# Altium PCB Thunderscope_Rev3.PCBDOC (part 6 of 6) (continued)
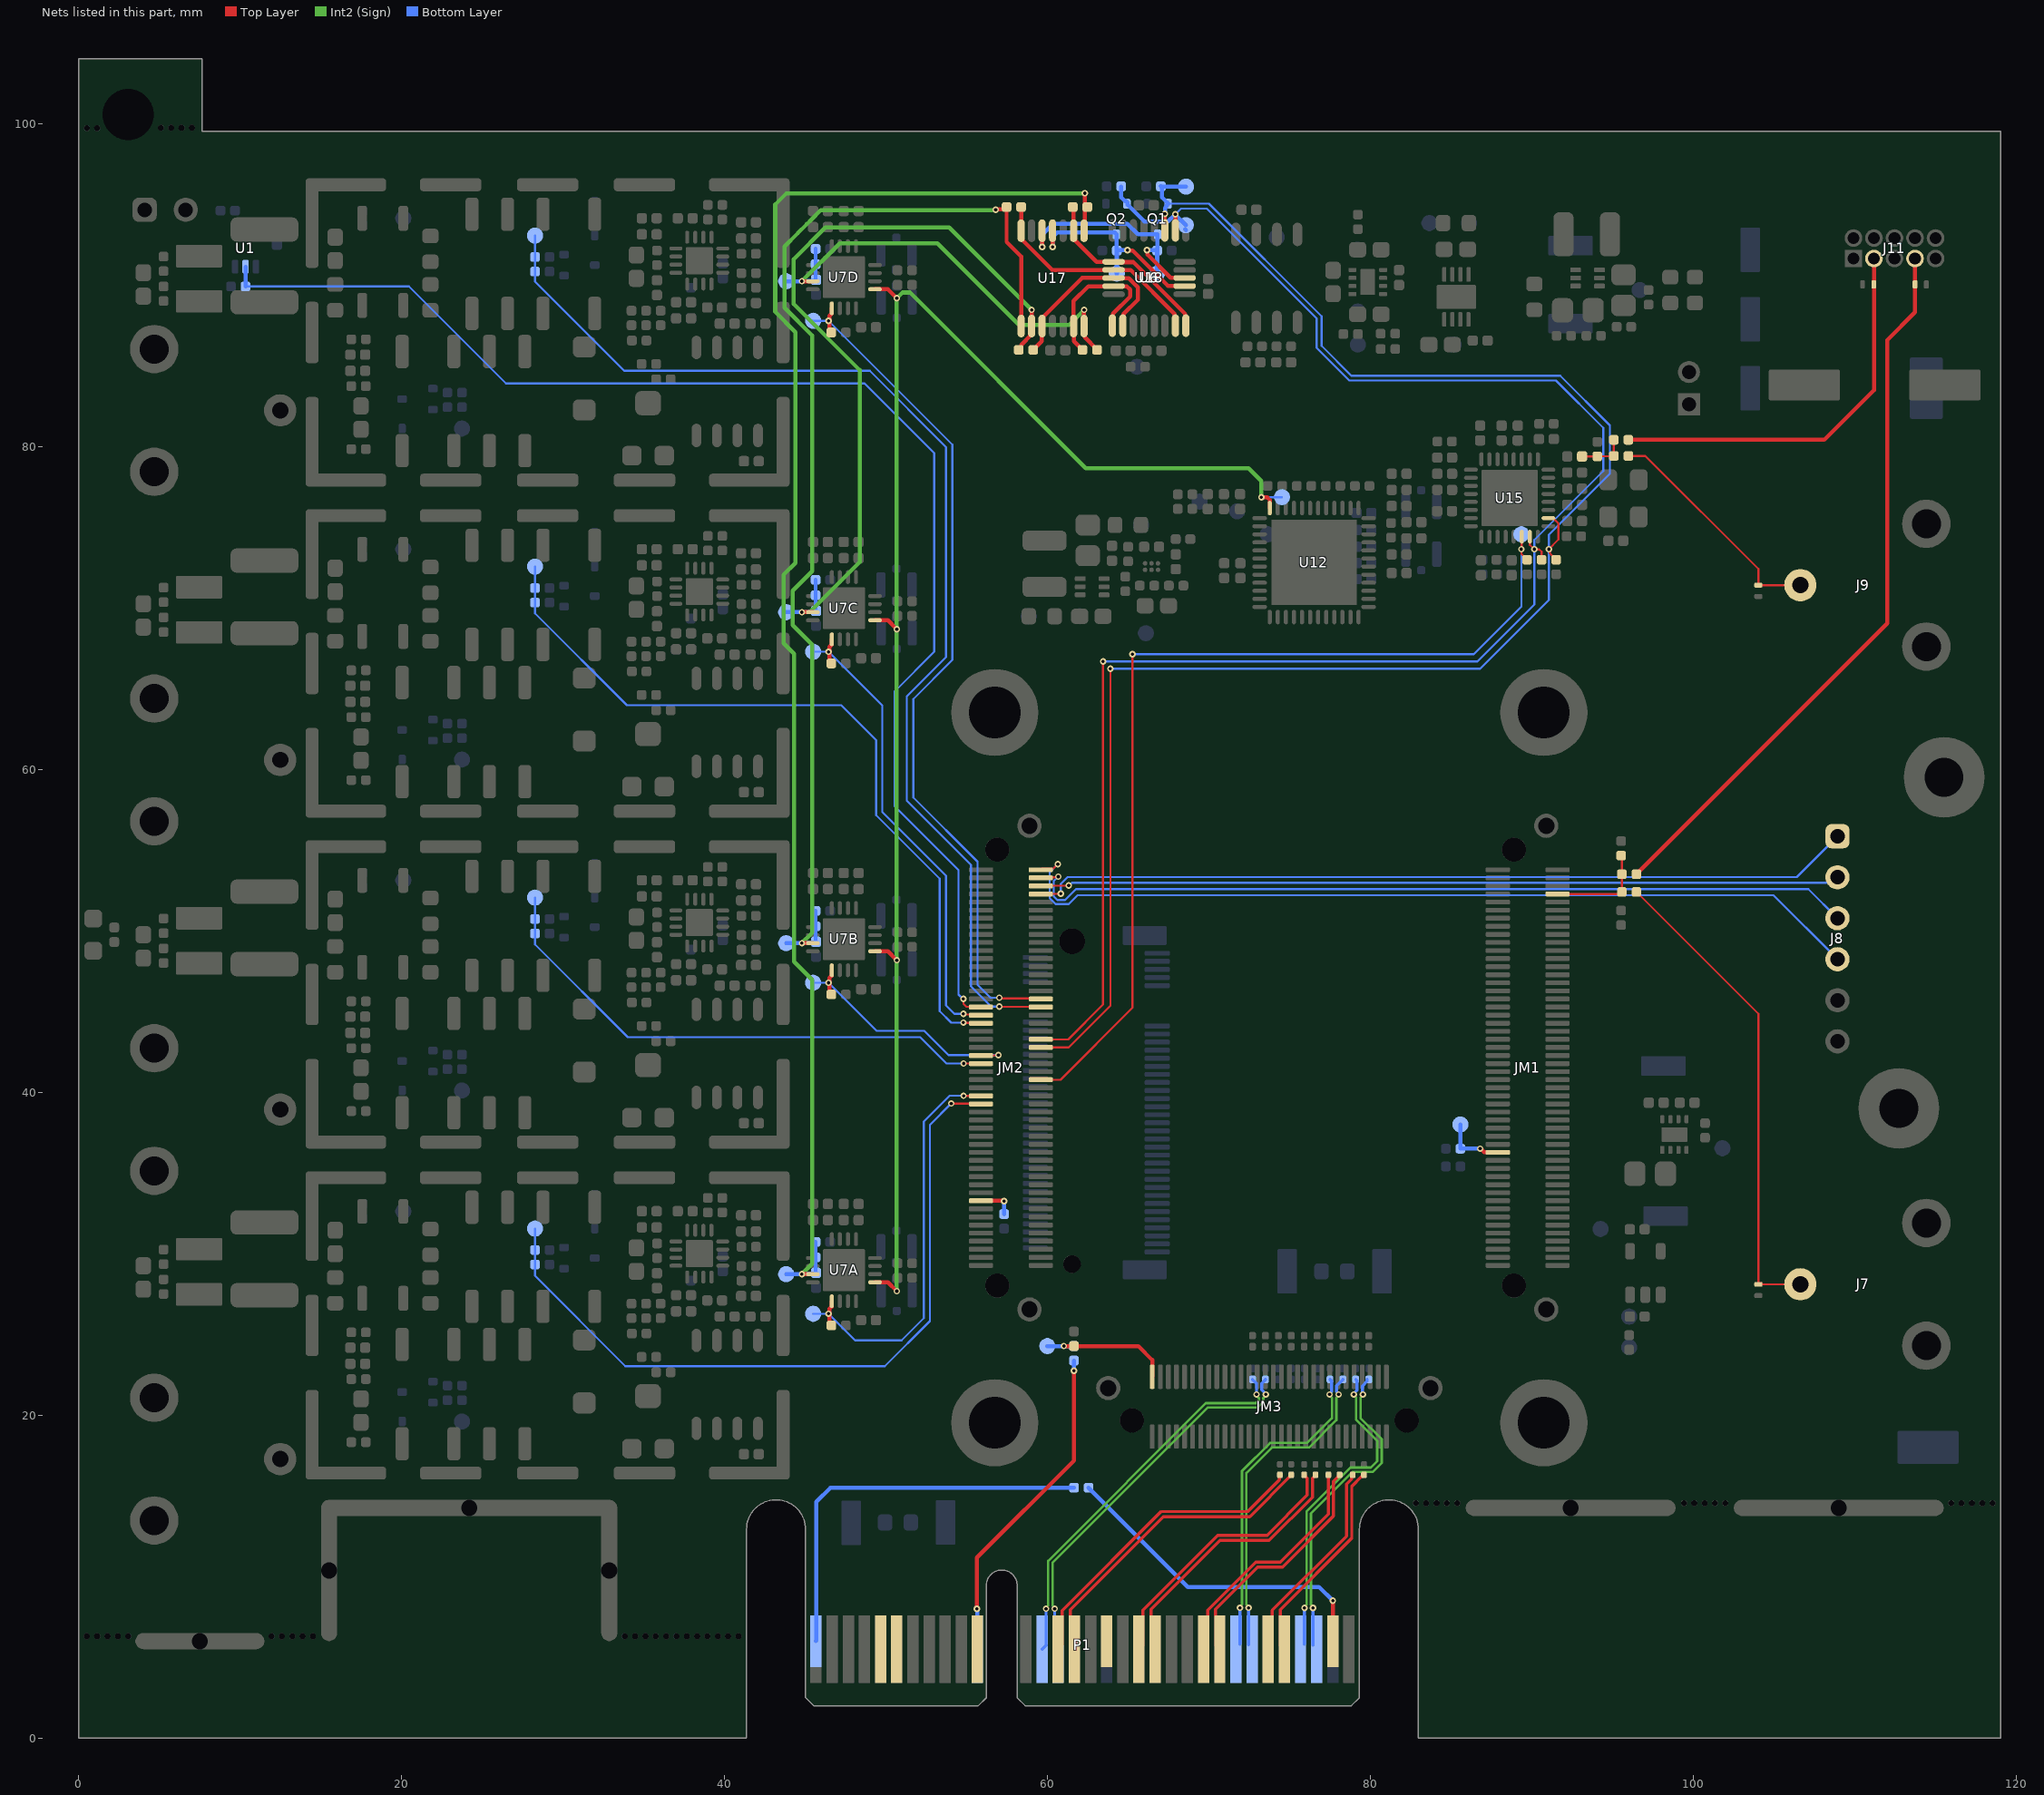
[diagram p10: the nets of this part, all layers, seen from the top]
## Nets (pads, with @x,y where several pads share a name; then routed paths per layer and width w, separated by ;. In a path a pad name is that pad's centre, name@x,y a point inside that pad or via, vN(x,y) a via of type N, cw(c..) or ccw(c..) an arc to the next point about the centre after c; other vN are vias at no path point) (continued)

## Polygon pours and split planes (outlines as drawn)
GND on Top Layer "GND_L05_P-001" (solid, remove dead copper, pour order 80): 0,0 0,104 119,104 119,0
+5V2 on Top Layer "+5V2_L01_P-001" (solid, pour order 79): 91,89.5 91,95.85 78.8,95.85 78.8,93 89.25,93 89.25,89.5
NetC2_2 on Top Layer "NetC2_2_IN_L01_P-001" (solid, pour order 78): 93.825,94.485 109.05,94.485 109.05,80.675 98,80.675 98,90 93.825,90
+3V3 on Top Layer "+3V3_L01_P-001" (solid, pour order 53): 98.885,39.05 97.385,39.05 97.385,40.85 98.885,40.85
+3V3_IN on Top Layer "+3V3_L01_P-001" (solid, pour order 77): 97.5,35.7 99,35.7 99,33.1 97.5,33.1
+3V3 on Top Layer "+3V3_L01_P-001" (solid, pour order 55): 99.325,89.325 100.825,89.325 100.825,87.375 99.325,87.375
+VUSB on Top Layer "+VUSB_L01_P-001" (solid, pour order 75): 98,89.325 98,80.675 101.5,80.675 101.5,87.237 99.325,87.237 99.325,89.325
+2V5 on Top Layer "+2V5_L01_P-001" (solid, pour order 70): 95.5,29.5 96.5,29.5 96.5,31.925 90.8,31.925 90.8,31.1 95.5,31.1
+3V3 on Top Layer "+3V3_L01_P-002" (solid, pour order 74): 56.95,31.5 58.45,31.5 58.45,29.025 56.95,29.025
+3V3_M2 on Top Layer "+3V3_M2_L01_P-001" (solid, pour order 71): 67.25,48.875 68.5,48.875 68.5,31.875 77.75,31.875 77.75,27 67.25,27
GND on Bottom Layer "GND_L05_P-001" (solid, remove dead copper, pour order 69): 0,0 0,104 119,104 119,0
+3V3_PCIe on Bottom Layer "+3V3_PCIe_L01_P-001" (solid, pour order 54): 55,7.75 52.3,7.75 52.3,11.925 50.725,11.925 50.725,14.75 52.3,14.75 55,14.75
GND on Int2 (Sign) "GND_L05_P-001" (solid, remove dead copper, pour order 73): 0,0 0,104 119,104 119,0
-5V on Int2 (Sign) "-4V8_L03_P-001" (solid, remove dead copper, pour order 68): 74.201,94.175 74.201,83.675 79.475,83.675 79.475,100 0,100 0,0 41,0 41,10.1 43.125,10.1 43.125,94.175
+1V8A on Int2 (Sign) "+1V8A_L01_P-001" (solid, pour order 67): 68.5,76.425 80.25,76.425 80.25,79.375 81.6,79.375 81.6,72.875 72,72.875 72,73.525 68.5,73.525
+1V8D on Int2 (Sign) "+1V8D_L01_P-001" (solid, pour order 61): 67.05,76.425 67.05,70.125 81.6,70.125 81.6,72.875 72,72.875 72,73.525 68.5,73.525 68.5,76.425
+1V8APLL on Int2 (Sign) "+1V8APLL_L01_P-001" (solid, pour order 58): 84.425,77.275 86.675,77.275 86.675,73.625 94.875,73.625 94.875,81.15 84.425,81.15
+3V3APLL on Int2 (Sign) "+3V3APLL_L01_P-001" (solid, pour order 59): 84.425,77.275 86.675,77.275 86.675,73.625 94.875,73.625 94.875,81.15 88.6,81.15 88.6,83.25 98,83.25 98,71.725 84.425,71.725
NetC60_2 on Int2 (Sign) "NetC60_2_L01_P-001" (solid, pour order 60): 69.25,78.125 64.475,78.125 64.475,68.25 88.25,68.25 88.25,71.725 84.275,71.725 84.275,81.15 81.75,81.15 81.75,70.125 67.05,70.125 67.05,76.575 69.25,76.575
+3V3 on Int3 (Sign) "+3V3_L04_P-001" (solid, remove dead copper, pour order 76): 0,0 0,104 119,104 119,0
+5V on Int3 (Sign) "+4V8_L04_P-001" (solid, remove dead copper, pour order 72): 48.025,87.35 55.025,87.35 55.025,83.95 86.475,83.95 86.475,95.6 35,95.6 35,25.55 48.025,25.55
+3V3_IN on Int3 (Sign) "+3V3_IN_L04_P-001" (solid, pour order 66): 43.2,14.9 43.2,2 99.2,2 99.2,35 56.5,35 56.5,28 56.5,14.9
GND on Int4 (GND) "GND_L05_P-001" (solid, remove dead copper, pour order 51): 0,0 0,104 119,104 119,0
GND on Int1 (GND) "GND_L05_P-001" (solid, remove dead copper, pour order 52): 0,0 0,104 119,104 119,0

## Keep-outs
Top Layer:
  region: 119,14.875 119,99 118,99 118,14.875
  rectangle: 0,97 119,99.5
  rectangle: 79.3,13.025 119,15.75
  region: 15,14.7 15.05,14.7 33.3,14.7 33.3,9.95 ccw(c33.35,9.95) 33.35,9.9 41.35,9.9 ccw(c41.35,9.95) 41.4,9.95 41.4,12.925 cw(c43.175,12.925) 44.95,12.925 ccw(c45,12.925) 45,12.875 45,15.8 15,15.8
Int1 (GND):
  rectangle: 17,19.025 17.425,21.525
  rectangle: 17.425,18.025 18.075,25.425
  rectangle: 17,60.025 17.425,62.525
  rectangle: 17.425,59.025 18.075,66.425
  rectangle: 17.425,38.525 18.075,45.925
  rectangle: 17,39.525 17.425,42.025
  rectangle: 17.425,79.525 18.075,86.925
  rectangle: 17,80.525 17.425,83.025
  rectangle: 30.6,85.5 32,86.8
  rectangle: 30.6,65 32,66.3
  rectangle: 30.6,44.5 32,45.8
  rectangle: 30.6,24 32,25.3
  region: 23.625,25.4 22.825,25.4 22.825,23.325 23.625,23.325
  region: 23.625,19.26 22.825,19.26 22.825,17.185 23.625,17.185
  region: 23.625,45.9 22.825,45.9 22.825,43.825 23.625,43.825
  region: 23.625,39.76 22.825,39.76 22.825,37.685 23.625,37.685
  region: 23.625,66.4 22.825,66.4 22.825,64.325 23.625,64.325
  region: 23.625,60.26 22.825,60.26 22.825,58.185 23.625,58.185
  region: 23.625,80.76 22.825,80.76 22.825,78.685 23.625,78.685
  region: 23.625,86.9 22.825,86.9 22.825,84.825 23.625,84.825
  region: 29.15,33.9 28.35,33.9 28.35,31.825 29.15,31.825
  region: 26.95,27.76 26.15,27.76 26.15,25.685 26.95,25.685
  region: 29.15,27.76 28.35,27.76 28.35,25.685 29.15,25.685
  region: 29.15,54.4 28.35,54.4 28.35,52.325 29.15,52.325
  region: 26.95,48.26 26.15,48.26 26.15,46.185 26.95,46.185
  region: 29.15,48.26 28.35,48.26 28.35,46.185 29.15,46.185
  region: 29.15,74.9 28.35,74.9 28.35,72.825 29.15,72.825
  region: 26.95,68.76 26.15,68.76 26.15,66.685 26.95,66.685
  region: 29.15,68.76 28.35,68.76 28.35,66.685 29.15,66.685
  region: 29.15,89.26 28.35,89.26 28.35,87.185 29.15,87.185
  region: 26.95,89.26 26.15,89.26 26.15,87.185 26.95,87.185
  region: 29.15,95.4 28.35,95.4 28.35,93.325 29.15,93.325
  region: 26.95,95.4 26.15,95.4 26.15,93.325 26.95,93.325
  region: 24.75,95.4 23.95,95.4 23.95,93.325 24.75,93.325
  rectangle: 23.95,87.2 24.75,89.275
  rectangle: 27.225,78.7 28.025,80.775
  rectangle: 25.025,78.7 25.825,80.775
  region: 28.025,86.9 27.225,86.9 27.225,84.825 28.025,84.825
  region: 25.825,86.9 25.025,86.9 25.025,84.825 25.825,84.825
  rectangle: 19.79,87.95 20.415,89.5
  rectangle: 17.25,87.95 17.875,89.5
  rectangle: 15.4,92.425 16.35,93.475
  rectangle: 15.4,90.975 16.35,92.025
  rectangle: 15.375,89.575 16.375,90.475
  rectangle: 15.375,87.975 16.375,88.875
  rectangle: 9.4,88.175 13.6,89.675
  rectangle: 21.275,92.575 22.275,93.475
  rectangle: 21.275,90.975 22.275,91.875
  rectangle: 21.275,89.575 22.275,90.475
  rectangle: 17.25,26.45 17.875,28
  rectangle: 19.79,26.45 20.415,28
  region: 24.75,33.9 23.95,33.9 23.95,31.825 24.75,31.825
  region: 26.95,33.9 26.15,33.9 26.15,31.825 26.95,31.825
  region: 28.025,25.4 27.225,25.4 27.225,23.325 28.025,23.325
  rectangle: 25.025,17.2 25.825,19.275
  rectangle: 17.25,46.95 17.875,48.5
  rectangle: 27.225,17.2 28.025,19.275
  region: 24.75,54.4 23.95,54.4 23.95,52.325 24.75,52.325
  region: 26.95,54.4 26.15,54.4 26.15,52.325 26.95,52.325
  region: 28.025,45.9 27.225,45.9 27.225,43.825 28.025,43.825
  rectangle: 27.225,37.7 28.025,39.775
  rectangle: 23.95,25.7 24.75,27.775
  region: 25.825,25.4 25.025,25.4 25.025,23.325 25.825,23.325
  rectangle: 15.375,28.075 16.375,28.975
  rectangle: 15.4,29.475 16.35,30.525
  rectangle: 15.4,30.925 16.35,31.975
  rectangle: 15.375,46.975 16.375,47.875
  rectangle: 15.375,48.575 16.375,49.475
  rectangle: 15.4,49.975 16.35,51.025
  rectangle: 15.4,51.425 16.35,52.475
  rectangle: 15.375,67.475 16.375,68.375
  rectangle: 15.375,69.075 16.375,69.975
  rectangle: 15.4,70.475 16.35,71.525
  rectangle: 15.4,71.925 16.35,72.975
  rectangle: 9.4,26.675 13.6,28.175
  rectangle: 21.275,28.075 22.275,28.975
  rectangle: 21.275,29.475 22.275,30.375
  rectangle: 21.275,31.075 22.275,31.975
  rectangle: 19.79,46.95 20.415,48.5
  rectangle: 21.275,48.575 22.275,49.475
  rectangle: 21.275,49.975 22.275,50.875
  rectangle: 21.275,51.575 22.275,52.475
  rectangle: 19.79,67.45 20.415,69
  rectangle: 21.275,69.075 22.275,69.975
  rectangle: 15.375,26.475 16.375,27.375
  rectangle: 17.25,67.45 17.875,69
  rectangle: 21.275,70.475 22.275,71.375
  rectangle: 21.275,72.075 22.275,72.975
  rectangle: 23.95,66.7 24.75,68.775
  region: 24.75,74.9 23.95,74.9 23.95,72.825 24.75,72.825
  region: 25.825,66.4 25.025,66.4 25.025,64.325 25.825,64.325
  region: 28.025,66.4 27.225,66.4 27.225,64.325 28.025,64.325
  rectangle: 25.025,58.2 25.825,60.275
  rectangle: 27.225,58.2 28.025,60.275
  rectangle: 9.4,47.175 13.6,48.675
  rectangle: 9.4,67.675 13.6,69.175
  region: 26.95,74.9 26.15,74.9 26.15,72.825 26.95,72.825
  rectangle: 23.95,46.2 24.75,48.275
  region: 25.825,45.9 25.025,45.9 25.025,43.825 25.825,43.825
  rectangle: 25.025,37.7 25.825,39.775
Int2 (Sign):
  rectangle: 17,80.525 17.425,83.025
  rectangle: 17.425,79.525 18.075,86.925
  rectangle: 17,39.525 17.425,42.025
  rectangle: 17.425,38.525 18.075,45.925
  rectangle: 17.425,59.025 18.075,66.425
  rectangle: 17,60.025 17.425,62.525
  rectangle: 17.425,18.025 18.075,25.425
  rectangle: 17,19.025 17.425,21.525
  rectangle: 30.6,24 32,25.3
  rectangle: 30.6,44.5 32,45.8
  rectangle: 30.6,65 32,66.3
  rectangle: 30.6,85.5 32,86.8
  region: 23.625,25.4 22.825,25.4 22.825,23.325 23.625,23.325
  region: 23.625,19.26 22.825,19.26 22.825,17.185 23.625,17.185
  region: 23.625,45.9 22.825,45.9 22.825,43.825 23.625,43.825
  region: 23.625,39.76 22.825,39.76 22.825,37.685 23.625,37.685
  region: 23.625,66.4 22.825,66.4 22.825,64.325 23.625,64.325
  region: 23.625,60.26 22.825,60.26 22.825,58.185 23.625,58.185
  region: 23.625,80.76 22.825,80.76 22.825,78.685 23.625,78.685
  region: 23.625,86.9 22.825,86.9 22.825,84.825 23.625,84.825
  region: 29.15,33.9 28.35,33.9 28.35,31.825 29.15,31.825
  region: 26.95,27.76 26.15,27.76 26.15,25.685 26.95,25.685
  region: 29.15,27.76 28.35,27.76 28.35,25.685 29.15,25.685
  region: 29.15,54.4 28.35,54.4 28.35,52.325 29.15,52.325
  region: 26.95,48.26 26.15,48.26 26.15,46.185 26.95,46.185
  region: 29.15,48.26 28.35,48.26 28.35,46.185 29.15,46.185
  region: 29.15,74.9 28.35,74.9 28.35,72.825 29.15,72.825
  region: 26.95,68.76 26.15,68.76 26.15,66.685 26.95,66.685
  region: 29.15,68.76 28.35,68.76 28.35,66.685 29.15,66.685
  region: 29.15,89.26 28.35,89.26 28.35,87.185 29.15,87.185
  region: 26.95,89.26 26.15,89.26 26.15,87.185 26.95,87.185
  region: 29.15,95.4 28.35,95.4 28.35,93.325 29.15,93.325
  rectangle: 25.025,37.7 25.825,39.775
  region: 25.825,45.9 25.025,45.9 25.025,43.825 25.825,43.825
  rectangle: 23.95,46.2 24.75,48.275
  region: 26.95,74.9 26.15,74.9 26.15,72.825 26.95,72.825
  rectangle: 9.4,67.675 13.6,69.175
  rectangle: 9.4,47.175 13.6,48.675
  rectangle: 27.225,58.2 28.025,60.275
  rectangle: 25.025,58.2 25.825,60.275
  region: 28.025,66.4 27.225,66.4 27.225,64.325 28.025,64.325
  region: 25.825,66.4 25.025,66.4 25.025,64.325 25.825,64.325
  region: 24.75,74.9 23.95,74.9 23.95,72.825 24.75,72.825
  rectangle: 23.95,66.7 24.75,68.775
  rectangle: 21.275,72.075 22.275,72.975
  rectangle: 21.275,70.475 22.275,71.375
  rectangle: 17.25,67.45 17.875,69
  rectangle: 15.375,26.475 16.375,27.375
  rectangle: 21.275,69.075 22.275,69.975
  rectangle: 19.79,67.45 20.415,69
  rectangle: 21.275,51.575 22.275,52.475
  rectangle: 21.275,49.975 22.275,50.875
  rectangle: 21.275,48.575 22.275,49.475
  rectangle: 19.79,46.95 20.415,48.5
  rectangle: 21.275,31.075 22.275,31.975
  rectangle: 21.275,29.475 22.275,30.375
  rectangle: 21.275,28.075 22.275,28.975
  rectangle: 9.4,26.675 13.6,28.175
  rectangle: 15.4,71.925 16.35,72.975
  rectangle: 15.4,70.475 16.35,71.525
  rectangle: 15.375,69.075 16.375,69.975
  rectangle: 15.375,67.475 16.375,68.375
  rectangle: 15.4,51.425 16.35,52.475
  rectangle: 15.4,49.975 16.35,51.025
  rectangle: 15.375,48.575 16.375,49.475
  rectangle: 15.375,46.975 16.375,47.875
  rectangle: 15.4,30.925 16.35,31.975
  rectangle: 15.4,29.475 16.35,30.525
  rectangle: 15.375,28.075 16.375,28.975
  region: 25.825,25.4 25.025,25.4 25.025,23.325 25.825,23.325
  rectangle: 23.95,25.7 24.75,27.775
  rectangle: 27.225,37.7 28.025,39.775
  region: 28.025,45.9 27.225,45.9 27.225,43.825 28.025,43.825
  region: 26.95,54.4 26.15,54.4 26.15,52.325 26.95,52.325
  region: 24.75,54.4 23.95,54.4 23.95,52.325 24.75,52.325
  rectangle: 27.225,17.2 28.025,19.275
  rectangle: 17.25,46.95 17.875,48.5
  rectangle: 25.025,17.2 25.825,19.275
  region: 28.025,25.4 27.225,25.4 27.225,23.325 28.025,23.325
  region: 26.95,33.9 26.15,33.9 26.15,31.825 26.95,31.825
  region: 24.75,33.9 23.95,33.9 23.95,31.825 24.75,31.825
  rectangle: 19.79,26.45 20.415,28
  rectangle: 17.25,26.45 17.875,28
  rectangle: 21.275,89.575 22.275,90.475
  rectangle: 21.275,90.975 22.275,91.875
  rectangle: 21.275,92.575 22.275,93.475
  rectangle: 9.4,88.175 13.6,89.675
  rectangle: 15.375,87.975 16.375,88.875
  rectangle: 15.375,89.575 16.375,90.475
  rectangle: 15.4,90.975 16.35,92.025
  rectangle: 15.4,92.425 16.35,93.475
  rectangle: 17.25,87.95 17.875,89.5
  rectangle: 19.79,87.95 20.415,89.5
  region: 25.825,86.9 25.025,86.9 25.025,84.825 25.825,84.825
  region: 28.025,86.9 27.225,86.9 27.225,84.825 28.025,84.825
  rectangle: 25.025,78.7 25.825,80.775
  rectangle: 27.225,78.7 28.025,80.775
  rectangle: 23.95,87.2 24.75,89.275
  region: 24.75,95.4 23.95,95.4 23.95,93.325 24.75,93.325
  region: 26.95,95.4 26.15,95.4 26.15,93.325 26.95,93.325
Int3 (Sign):
  rectangle: 17,80.525 17.425,83.025
  rectangle: 17.425,79.525 18.075,86.925
  rectangle: 17,39.525 17.425,42.025
  rectangle: 17.425,38.525 18.075,45.925
  rectangle: 17.425,59.025 18.075,66.425
  rectangle: 17,60.025 17.425,62.525
  rectangle: 17.425,18.025 18.075,25.425
  rectangle: 17,19.025 17.425,21.525
  rectangle: 30.6,24 32,25.3
  rectangle: 30.6,44.5 32,45.8
  rectangle: 30.6,65 32,66.3
  rectangle: 30.6,85.5 32,86.8
  region: 23.625,25.4 22.825,25.4 22.825,23.325 23.625,23.325
  region: 23.625,19.26 22.825,19.26 22.825,17.185 23.625,17.185
  region: 23.625,45.9 22.825,45.9 22.825,43.825 23.625,43.825
  region: 23.625,39.76 22.825,39.76 22.825,37.685 23.625,37.685
  region: 23.625,66.4 22.825,66.4 22.825,64.325 23.625,64.325
  region: 23.625,60.26 22.825,60.26 22.825,58.185 23.625,58.185
  region: 23.625,80.76 22.825,80.76 22.825,78.685 23.625,78.685
  region: 23.625,86.9 22.825,86.9 22.825,84.825 23.625,84.825
  region: 29.15,33.9 28.35,33.9 28.35,31.825 29.15,31.825
  region: 26.95,27.76 26.15,27.76 26.15,25.685 26.95,25.685
  region: 29.15,27.76 28.35,27.76 28.35,25.685 29.15,25.685
  region: 29.15,54.4 28.35,54.4 28.35,52.325 29.15,52.325
  region: 26.95,48.26 26.15,48.26 26.15,46.185 26.95,46.185
  region: 29.15,48.26 28.35,48.26 28.35,46.185 29.15,46.185
  region: 29.15,74.9 28.35,74.9 28.35,72.825 29.15,72.825
  region: 26.95,68.76 26.15,68.76 26.15,66.685 26.95,66.685
  region: 29.15,68.76 28.35,68.76 28.35,66.685 29.15,66.685
  region: 29.15,89.26 28.35,89.26 28.35,87.185 29.15,87.185
  region: 26.95,89.26 26.15,89.26 26.15,87.185 26.95,87.185
  region: 29.15,95.4 28.35,95.4 28.35,93.325 29.15,93.325
  rectangle: 25.025,37.7 25.825,39.775
  region: 25.825,45.9 25.025,45.9 25.025,43.825 25.825,43.825
  rectangle: 23.95,46.2 24.75,48.275
  region: 26.95,74.9 26.15,74.9 26.15,72.825 26.95,72.825
  rectangle: 9.4,67.675 13.6,69.175
  rectangle: 9.4,47.175 13.6,48.675
  rectangle: 27.225,58.2 28.025,60.275
  rectangle: 25.025,58.2 25.825,60.275
  region: 28.025,66.4 27.225,66.4 27.225,64.325 28.025,64.325
  region: 25.825,66.4 25.025,66.4 25.025,64.325 25.825,64.325
  region: 24.75,74.9 23.95,74.9 23.95,72.825 24.75,72.825
  rectangle: 23.95,66.7 24.75,68.775
  rectangle: 21.275,72.075 22.275,72.975
  rectangle: 21.275,70.475 22.275,71.375
  rectangle: 17.25,67.45 17.875,69
  rectangle: 15.375,26.475 16.375,27.375
  rectangle: 21.275,69.075 22.275,69.975
  rectangle: 19.79,67.45 20.415,69
  rectangle: 21.275,51.575 22.275,52.475
  rectangle: 21.275,49.975 22.275,50.875
  rectangle: 21.275,48.575 22.275,49.475
  rectangle: 19.79,46.95 20.415,48.5
  rectangle: 21.275,31.075 22.275,31.975
  rectangle: 21.275,29.475 22.275,30.375
  rectangle: 21.275,28.075 22.275,28.975
  rectangle: 9.4,26.675 13.6,28.175
  rectangle: 15.4,71.925 16.35,72.975
  rectangle: 15.4,70.475 16.35,71.525
  rectangle: 15.375,69.075 16.375,69.975
  rectangle: 15.375,67.475 16.375,68.375
  rectangle: 15.4,51.425 16.35,52.475
  rectangle: 15.4,49.975 16.35,51.025
  rectangle: 15.375,48.575 16.375,49.475
  rectangle: 15.375,46.975 16.375,47.875
  rectangle: 15.4,30.925 16.35,31.975
  rectangle: 15.4,29.475 16.35,30.525
  rectangle: 15.375,28.075 16.375,28.975
  region: 25.825,25.4 25.025,25.4 25.025,23.325 25.825,23.325
  rectangle: 23.95,25.7 24.75,27.775
  rectangle: 27.225,37.7 28.025,39.775
  region: 28.025,45.9 27.225,45.9 27.225,43.825 28.025,43.825
  region: 26.95,54.4 26.15,54.4 26.15,52.325 26.95,52.325
  region: 24.75,54.4 23.95,54.4 23.95,52.325 24.75,52.325
  rectangle: 27.225,17.2 28.025,19.275
  rectangle: 17.25,46.95 17.875,48.5
  rectangle: 25.025,17.2 25.825,19.275
  region: 28.025,25.4 27.225,25.4 27.225,23.325 28.025,23.325
  region: 26.95,33.9 26.15,33.9 26.15,31.825 26.95,31.825
  region: 24.75,33.9 23.95,33.9 23.95,31.825 24.75,31.825
  rectangle: 19.79,26.45 20.415,28
  rectangle: 17.25,26.45 17.875,28
  rectangle: 21.275,89.575 22.275,90.475
  rectangle: 21.275,90.975 22.275,91.875
  rectangle: 21.275,92.575 22.275,93.475
  rectangle: 9.4,88.175 13.6,89.675
  rectangle: 15.375,87.975 16.375,88.875
  rectangle: 15.375,89.575 16.375,90.475
  rectangle: 15.4,90.975 16.35,92.025
  rectangle: 15.4,92.425 16.35,93.475
  rectangle: 17.25,87.95 17.875,89.5
  rectangle: 19.79,87.95 20.415,89.5
  region: 25.825,86.9 25.025,86.9 25.025,84.825 25.825,84.825
  region: 28.025,86.9 27.225,86.9 27.225,84.825 28.025,84.825
  rectangle: 25.025,78.7 25.825,80.775
  rectangle: 27.225,78.7 28.025,80.775
  rectangle: 23.95,87.2 24.75,89.275
  region: 24.75,95.4 23.95,95.4 23.95,93.325 24.75,93.325
  region: 26.95,95.4 26.15,95.4 26.15,93.325 26.95,93.325
Bottom Layer:
  region: 119,14.875 119,99 118,99 118,14.875
  rectangle: 0,97 119,99.5
  rectangle: 79.3,13.025 119,15.75
  region: 15,14.7 15.05,14.7 33.3,14.7 33.3,9.95 ccw(c33.35,9.95) 33.35,9.9 41.35,9.9 ccw(c41.35,9.95) 41.4,9.95 41.4,12.925 cw(c43.175,12.925) 44.95,12.925 ccw(c45,12.925) 45,12.875 45,15.8 15,15.8
Top Solder:
  rectangle: 33.35,6.625 41.35,9.95
Bottom Solder:
  rectangle: 33.35,6.625 41.35,9.95
KeepOutLayer:
  rectangle: 0,96 7.65,104
  rectangle: 33.35,6.625 41.35,9.95
  region: 81.125,15.25 81.125,0 119,0 119,15.25
  region: 0,0 0,7 16,7 16,13.75 32.35,13.75 32.35,7 41.35,7 41.35,0

## Other copper
Top Layer:
  pour cut-out: 45.125,26.725 49.625,26.725 49.625,31.225 45.125,31.225
  pour cut-out: 45.125,47.225 49.625,47.225 49.625,51.725 45.125,51.725
  pour cut-out: 45.125,67.725 49.625,67.725 49.625,72.225 45.125,72.225
  pour cut-out: 45.125,88.225 49.625,88.225 49.625,92.725 45.125,92.725
  pour cut-out: 50.419,66.24 50.419,68.825 50.144,68.825 50.144,66.24
  pour cut-out: 14.85,34.3 43.225,34.3 43.225,16.8 14.85,16.8
  pour cut-out: 14.85,54.8 43.225,54.8 43.225,37.3 14.85,37.3
  pour cut-out: 14.85,75.3 43.225,75.3 43.225,57.8 14.85,57.8
  pour cut-out: 14.85,95.8 43.225,95.8 43.225,78.3 14.85,78.3
  pour cut-out: 55.993,82.966 55.993,84.887 55.72,84.887 55.718,84.886 55.718,82.966
  pour cut-out: 80.6,48.525 80.6,47 87.075,47 87.075,48.525
  pour cut-out: 86.787,50.975 86.787,51.475 87.075,51.475 87.075,51.925 86.787,51.925 86.45,51.925 86.45,50.975
  pour cut-out: 74.425,9.967 75.125,9.967 75.125,10.075 74.425,10.075
  pour cut-out: 72.8,69.1 80.2,69.1 80.2,76.5 72.8,76.5
  pour cut-out: 85.85,74.05 91.35,74.05 91.35,79.55 85.85,79.55
  pour cut-out: 65.575,73.2 67.275,73.2 67.275,71.9 65.575,71.9
  pour cut-out: 45,7.6 79.3,7.6 79.3,2 45.05,2 45,2
Bottom Layer:
  pour cut-out: 45,7.6 79.3,7.6 79.3,2 45.05,2 45,2

## Silkscreen, mask and mechanical layers (free items; w line width, h text height)
Top Overlay:
  lines w0.1: 0,6.5 15,6.5 15,14.75 33.35,14.75 33.35,6.5 41.35,6.5 ; 0,99.5 7.65,99.525 ; 81.175,14.75 119,14.75
  lines w0.25: 53,15.695 94.45,15.695 94.45,67.245 53,67.245 53,15.695
  text "COMP" at 8.35,95.348 h1.2
  text "GND" at 2.74,92.123 h1.2
  text "CLK IN/OUT" at 110.111,64.225 h1.5
  text "TMS" at 115.043,54.288 h1.2
  text "TDI" at 115.065,51.748 h1.2
  text "TDO" at 115.006,49.208 h1.2
  text "TCK" at 115.019,46.668 h1.2
  text "GND" at 115.005,44.128 h1.2
  text "VREF" at 114.466,41.588 h1.2
  text "SYNC" at 110.111,34.491 h1.5
Bottom Overlay:
  lines w0.5: 113.625,49.5 119,49.5
  text "SDA" at 71.115,95.748 h1.2
  text "LDO" at 84.375,94.698 h1.2
  text "+5V2" at 87.426,94.698 h1.2
  text "SCL" at 71.107,93.423 h1.2
  text "CPL4" at 23.141,93.396 h1.2
  text "CH4_P" at 51.975,93.396 h1.2
  text "+5V2" at 93.576,93.373 h1.2
  text "CP_IN" at 80.53,93.246 h1.2
  text "-" at 80.175,92.447 h1.2 r180
  text "+" at 85.808,92.436 h1.2 r270
  text "-" at 83.777,92.403 h1.2
  text "TERM4" at 27.398,92.346 h1.2
  text "-" at 102.547,92.325 h1.2 r90
  text "-" at 92.225,91.472 h1.2 r180
  text "-VBIAS" at 75.766,91.423 h1.2
  text "TRIM4" at 43.096,91.05 h1.2 r270
  text "FE_EN" at 97.977,90.7 h1.2
  text "SDA_5V" at 70.97,90.475 h1.2
  text "BST IN" at 104.573,90.48 h1.2 r270
  text "SCL_5V" at 63.411,90.321 h1.2
  text "BST OUT" at 94.26,88.573 h1.2
  text "CP_OUT" at 83.364,88.125 h1.2
  text "+" at 102.515,87.603 h1.2
  text "+" at 78.928,87.11 h1.2 r270
  text "+3V3" at 104.573,86.755 h1.2 r270
  text "+" at 92.647,86.615 h1.2 r90
  text "CH4_N" at 51.98,86.021 h1.2
  text "-5V" at 81.628,85.978 h1.2
  text "+5V" at 87.62,85.978 h1.2
  text "VREF" at 66.63,85.773 h1.2
  text "-" at 79.35,84.978 h1.2
  text "+" at 102.515,83.328 h1.2
  text "PGA_CS4" at 44.696,83.05 h1.2 r270
  text "GND" at 115.923,82.84 h1.2 r270
  text "+VUSB" at 104.573,82.093 h1.2 r270
  text "ATTEN4" at 27.9,80.296 h1.2
  text "CLK_P" at 84.5,77.771 h1.2
  text "VCM" at 75.357,77.698 h1.2
  text "ADC_CS" at 69.171,77.47 h1.2 r270
  text "SPI_SCK" at 71.496,76.87 h1.2 r270
  text "LDO" at 66.548,76.448 h1.2
  text "+1V92" at 63.858,76.046 h1.2
  text "SPI_SDO" at 78.38,74.321 h1.2
  text "PLL / RSTn" at 88.25,74.021 h1.2
  text "+" at 62.203,73.735 h1.2 r270
  text "-" at 65.925,73.703 h1.2
  text "CH3_P" at 51.95,72.896 h1.2
  text "CPL3" at 23.121,72.871 h1.2
  text "TERM3" at 27.379,71.821 h1.2
  text "-" at 61.825,70.897 h1.2 r180
  text "+" at 58.585,70.897 h1.2 r180
  text "TRIM3" at 43.071,70.55 h1.2 r270
  text "CLK_N" at 84.5,70.271 h1.2
  text "+1V8" at 69.151,68.098 h1.2
  text "BUCK" at 63.042,67.498 h1.2
  text "+3V3" at 59.895,67.489 h1.2
  text "CH3_N" at 51.955,65.521 h1.2
  text "PGA_CS3" at 44.646,62.6 h1.2 r270
  text "ATTEN3" at 27.9,59.896 h1.2
  text "CH2_P" at 51.95,52.396 h1.2
  text "CPL2" at 23.124,52.371 h1.2
  text "TERM2" at 27.432,51.321 h1.2
  text "TRIM2" at 43.046,50.05 h1.2 r270
  text "CH2_N" at 51.955,45.021 h1.2
  text "PGA_CS2" at 44.721,42.1 h1.2 r270
  text "+3V3" at 102.195,41.298 h1.2
  text "ATTEN2" at 27.9,39.346 h1.2
  text "PGOOD" at 89.292,37.673 h1.2
  text "ACQ_EN" at 106.133,36.296 h1.2
  text "+3V3_IN" at 104.021,32.096 h1.2
  text "CH1_P" at 51.958,31.896 h1.2
  text "CPL1" at 23.121,31.871 h1.2
  text "+2V5" at 93.183,31.198 h1.2
  text "+3V3_M2" at 76.921,30.971 h1.2
  text "+3V3_IN" at 82.921,30.971 h1.2
  text "TERM1" at 27.429,30.821 h1.2
  text "TRIM1" at 43.071,29.55 h1.2 r270
  text "-" at 95.85,27.397 h1.2 r180
  text "-" at 80.45,27.022 h1.2 r180
  text "+" at 74.997,26.99 h1.2 r90
  text "LDO" at 98.588,25.773 h1.2
  text "CH1_N" at 51.955,24.521 h1.2
  text "+3V3_IN" at 100.884,23.971 h1.2
  text "PERSTn" at 59.01,23.948 h1.2
  text "+" at 96.24,22.903 h1.2
  text "PGA_CS1" at 44.746,21.6 h1.2 r270
  text "GND" at 115.31,19.573 h1.2
  text "ATTEN1" at 27.9,18.846 h1.2
  text "+3V3_PCIe" at 56.209,15.471 h1.2
  text "+3V3_IN" at 50.046,15.396 h1.2
  text "-" at 47.575,11.447 h1.2 r180
  text "+" at 53.847,11.44 h1.2 r90
Top Solder:
  drawing of 46 lines, arcs and shapes, not listed
  text "AZ" at 46.075,41.28 h4
  text "ThunderScope Rev.3" at 92.379,16.95 h2
  text "MB" at 9.493,8.2 h4
PCI-SIG Outline:
  the board outline again, w0.1
DrillDrawing:
  text "Drilling Details." at 225.001,138.483 h1
  text ".LEGEND" at 225.25,61.352 h1

## Dimensions
0,2 to 6,102 on PCI-SIG Dimensions
0,6.5 to 6,102 on PCI-SIG Dimensions
0,113.15 to 119,0 on PCI-SIG Dimensions

## Text inside footprints (layer, text, board x,y; h text height)
JM1: Top Overlay "1" at 85.992,29.459 h1 r270; Top Overlay "2" at 92.892,29.457 h1 r270; Top Assembly "1" at 85.992,29.459 h1 r270; Top Assembly "2" at 92.892,29.457 h1 r270
JM2: Top Overlay "1" at 53.992,29.459 h1 r270; Top Overlay "2" at 60.892,29.457 h1 r270; Top Assembly "1" at 53.992,29.459 h1 r270; Top Assembly "2" at 60.892,29.457 h1 r270
JM3: Top Overlay "2" at 80.782,23.697 h1; Top Overlay "1" at 80.779,16.797 h1; Top Assembly "1" at 80.779,16.797 h1; Top Assembly "2" at 80.782,23.697 h1